# Altium PCB SG1.PcbDoc (part 1 of 3) (continued)
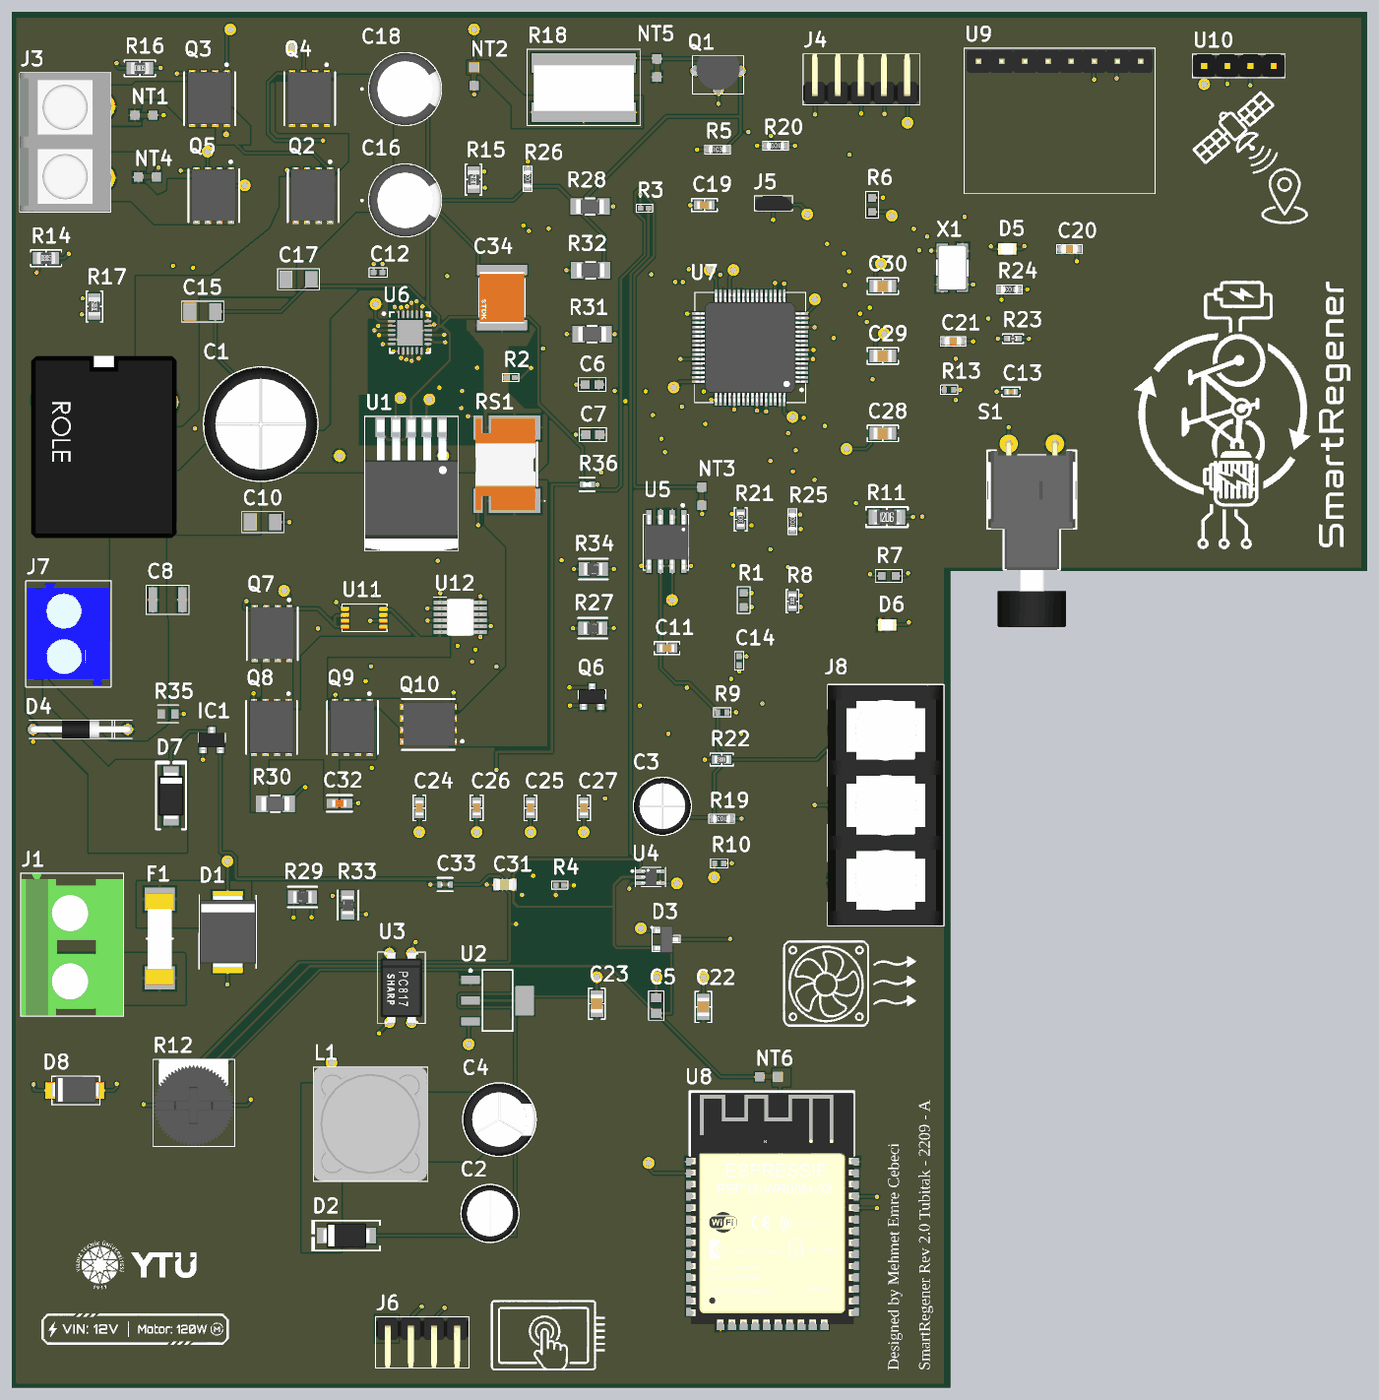
[diagram p8: 3D render of the assembled board from above, using the file's embedded part models]

## Layer stack, top to bottom
Top Solder: solder mask 1, SM-001, Dk 4
Top Layer: signal copper 1.378
Dielectric 1: prepreg 2.8, PP-006, Dk 4.1
Dielectric 2: prepreg 2.8, PP-006, Dk 4.1
GND: plane copper 1.378, net GND
Dielectric 3: core 18, Core-035, Dk 4.7
PWR: signal copper 1.378
Dielectric 4: prepreg 2.8, PP-006, Dk 4.1
Dielectric 5: prepreg 2.8, PP-006, Dk 4.1
SIGN: signal copper 1.378
Dielectric 6: core 18, Core-035, Dk 4.7
GND (Plane2): plane copper 1.378, net GND
Dielectric 7: prepreg 2.8, PP-006, Dk 4.1
Dielectric 8: prepreg 2.8, PP-006, Dk 4.1
Bottom Layer: signal copper 1.378
Bottom Solder: solder mask 1, SM-001, Dk 4

## Board outline
-4570,-4530 -4570,1425 1299,1425 1299,-995 -505,-995 -505,-4530

## Design rules (kind name [scope] priority, off if disabled: settings)
Clearance j5 [InComponent('J5')] p1: gap=2 ignorepadtopadclearanceinfootprint=FALSE
Clearance [All] p2: gap=6 ignorepadtopadclearanceinfootprint=FALSE
Height [All] p1: minheight=0 maxheight=1968.5 prefheight=500
MinimumSolderMaskSliver [All] p1: minsoldermaskwidth=0.1
NetAntennae [All] p1: netantennaetolerance=10
PlaneClearance [All] p1: clearance=20
PlaneConnect [All] p1: planeconnectstyle=Relief reliefexpansion=20 reliefentries=4 reliefconductorwidth=10 reliefairgap=10
PolygonConnect [All] p1: connectstyle=Relief reliefconductorwidth=10 reliefentries=4 polygonreliefangle="90 Angle" airgapwidth=10
RoutingVias [All] p1: holewidth=8 width=18 viastyle="Through Hole" minholewidth=6 minwidth=3 maxholewidth=28 maxwidth=50
SilkToSolderMaskClearance [IsPad] p1: minsilkscreentomaskgap=1 clearancetoexposedcopper=TRUE
SolderMaskExpansion [All] p1: expansion=0 istentingtop=FALSE
SupplyNets "Schematic Supply Nets_7" [InNet('3.3V')] p1: voltage=0.000
SupplyNets "Schematic Supply Nets_6" [InNet('VIN')] p2: voltage=0.000
SupplyNets "Schematic Supply Nets_5" [InNet('AVDD')] p3: voltage=0.000
SupplyNets "Schematic Supply Nets_4" [InNet('GND')] p4: voltage=0.000
SupplyNets "Schematic Supply Nets_3" [InNet('+5')] p5: voltage=0.000
SupplyNets "Schematic Supply Nets_2" [InNet('PGND')] p6: voltage=0.000
SupplyNets "Schematic Supply Nets_1" [InNet('AGND')] p7: voltage=0.000
SupplyNets "Schematic Supply Nets" [InNet('VM')] p8: voltage=0.000
Width [All] p1: maxlimit=10 minlimit=10 preferedwidth=10
24 further rules are at their usual default settings.

## Classes and differential pairs
component class Sensörler: C28 C29 C30 C31 D7 IC1 J4 J5 J6 J7 J8 Q6 R22 R23 R24 R25 R26 U8 U9 U10
component class "Motor Driver": C6 C7 C8 C10 C11 C12 C13 C14 C15 C16 C17 C18 D5 D6 J3 NT1 NT2 NT3 NT4 NT5 NT6 Q2 Q3 Q4 Q5 R6 R7 R8 R9 R10 R11 R12 R13 R14 R15 R16 R17 R18 U5 U6
component class MCU: C19 C20 C21 C22 C23 C24 C25 C26 C27 R19 R20 R21 S1 U7 X1
component class Koruma: C32 C33 C34 D1 D8 F1 J1 Q7 Q8 Q9 Q10 R27 R28 R29 R30 R31 R32 R33 R34 R35 R36 RS1 U11 U12
component class "Güç ve Koruma": C1 C2 C3 C4 C5 D2 D3 D4 L1 Q1 R1 R2 R3 R4 R5 RL1 U1 U2 U3 U4

## Components (designator, comment, footprint, x,y, rotation, side; value= is the part's Value field where it differs from the comment)
C1 "680µF" "CAP TH ALUM ELEC D12.50mm S5.00mm H30.00mm" -3490,-360 r270 top
C2 "47µF" "CAP TH ALUM ELEC D6.30mm S2.50mm H6.00mm" -2498,-3775 r180 top
C3 "22µF" "CAP TH ALUM ELEC D6.30mm S2.50mm H12.00mm" -1752,-2013 r270 top
C4 "220 µF" "CAP AL TH D8 L3.5 H12.5" -2457,-3369 r0 top
C5 "0.01uF" "CAP0603- GRM188R70J103KA01D" -1778,-2876 r90 top
C6 "1uF" CAP0603-GRM188R60J105KA01D -2056,-189 r180 top value=1µF
C7 "1uF" CAP0603-GRM188R60J105KA01D -2053,-406 r180 top value=1µF
C8 "10uF" "CAP1210- GRM32ER71H106KA12L" -3893,-1120 r180 top value=10µF
C10 "1uF" "CAP1206- GRM319R71C105KAA3D" -3480.97,-784 r180 top value=1µF
C11 "0.1 µF" "CAP 0603_1608" -1732,-1329 r180 top
C12 "1000pF" "CAP0402- GRM155R71C102KA01D" -2982,296 r180 top value=1nF
C13 "10000 pF" "CAP 0402_1005" -243,-220 r180 top
C14 "1000pF" "CAP0402- GRM155R71C102KA01D" -1420,-1384 r90 top value=1nF
C15 "0.1uF" "CAP1206- GRM319R71H104KA01D" -3741,127 r180 top value=100nF
C16 "470uF" "RCAP, 8x20mm -EEU-FR1V471LB" -2865.18,608 r0 top value=470µF
C17 "0.1uF" "CAP1206- GRM319R71H104KA01D" -3326,267 r180 top value=100nF
C18 "470uF" "RCAP, 8x20mm -EEU-FR1V471LB" -2865.18,1090 r0 top value=470µF
C19 "0.1 µF" "CAP 0603_1608" -1570,588 r180 top
C20 "CL10C200JB8NNNC" CAP_0603 10,397 r180 top
C21 "CL10C200JB8NNNC" CAP_0603 -494,-2 r180 top
C22 "4.7µF" "CAP 0805_2012" -1574.39,-2881.56 r90 top
C23 "1 µF" "CAP 0805_2012" -2035.39,-2867.56 r90 top
C24 "0.1 µF" "CAP 0603_1608" -2803.61,-2020.44 r270 top
C25 "0.1 µF" "CAP 0603_1608" -2322.61,-2020.44 r270 top
C26 "0.1 µF" "CAP 0603_1608" -2555.61,-2020.44 r270 top
C27 "0.1 µF" "CAP 0603_1608" -2091.61,-2020.44 r270 top
C28 "4.7µF" "CAP 0805_2012" -798,-400 r180 top
C29 "1 µF" "CAP 0805_2012" -798,-65 r180 top
C30 "0.1 µF" "CAP 0805_2012" -798,237 r180 top
C31 "CL21B104KBCNNNC" CAP_0805 -2434,-2352 r180 top
C32 "W3F15C4738AT1F" "CAP 0603" -3148,-2001 r180 top value=470nF
C33 "GRM155R71C104KA88D" "CAP 0402" -2691,-2350 r180 top value=100nF
C34 "C5750X7R1H226M250KB" "CAP 2220" -2446,186 r270 top value=22µF
D1 "SMDJ20A" "SMC (DO-214AB)" -3633,-2558 r270 top
D2 "ACDBA560-HF" "DO214AC SMA" -3119,-3871 r180 top
D3 "Diode, Rectifier" "SOT-23-3 - MMBD7000LT1G" -1774.55,-2552.49 r270 top value=1.5pF
D4 "1N4007" 1N4007 -4271,-1681 r0 top value=15pF
D5 "Led - Red" LED_0805 -259,398 r180 top
D6 "Led - Green" LED_0805 -779,-1228 r0 top
D7 "ACDBA140-HF" "DO214AC SMA" -3878,-1968 r90 top
D8 "SMAJ24A" "SMA (DO-214AC)" -4295,-3243 r0 top value=650pF
F1 "SF-3812F6000T-2" SF-3812F6000T-2 -3927,-2586 r90 top value=900µΩ
IC1 "DMG3402L-7" "DIODES SOT-23-3" -3702,-1727 r90 top
J1 "Kontak" "TB 2pin" -4316,-2622 r90 top
J3 "TB - 2PİN- MOT" "TB - 2PİN- MOT" -4179,860 r270 top
J4 "ST-LİNK" ST-LİNK -890.8,1072.58 r180 top
J5 "A-3144 Hall Sensor" A-3144 -1272,589 r180 top
J6 "Nextion" Nextion -2789,-4274 r0 top
J7 "Socket 2Pos" 691101710002 -4342,-1269 r270 top
J8 "4DB-P108-03" "TE 4DB-P108-03" -785,-2009 r270 top
L1 "33uH" Cap33Uh -3016,-3388 r0 top value=33µH
NT1 "Net-Tie" Net-Tie -3956,977 r180 top net-tie
NT2 "Net-Tie" Net-Tie -2566,1105 r90 top net-tie
NT3 "Net-Tie" Net-Tie -1581,-711 r90 top net-tie
NT4 "Net-Tie" Net-Tie -4019.74,709 r0 top net-tie
NT5 "Net-Tie" Net-Tie -1776,1221 r270 top net-tie
NT6 "Net-Tie" Net-Tie -1331,-3184 r0 top net-tie
Q1 "BC337" BC337 -1511,1127 r0 top
Q2 "BSC010N04LSI" "SON 5X6" -3260,621 r270 top
Q3 "BSC010N04LSI" "SON 5X6" -3708,1041 r270 top
Q4 "BSC010N04LSI" "SON 5X6" -3275,1041 r270 top
Q5 "BSC010N04LSI" "SON 5X6" -3690,621 r270 top
Q6 "MMBT3904-7-F" "DIODES SOT-23-3" -2056,-1539 r90 top
Q7 "BSC010N04LSI" "SON 5X6" -3437,-1274 r270 top
Q8 "BSC010N04LSI" "SON 5X6" -3440,-1680 r270 top
Q9 "BSC010N04LSI" "SON 5X6" -3090,-1680 r270 top
Q10 "BSC010N04LSI" "SON 5X6" -2772,-1662 r180 top
R1 "330 Ohm" "RES0603- RC0603FR-07330RL" -1400,-1121 r90 top value=47µF
R2 "13.3k Ohm" RES0402 -2408,-159 r0 top value=13.3kΩ
R3 "1k" RES0402 -1829,574 r0 top value=1kΩ
R4 "1k" RES0402 -2196,-2355 r0 top value=1kΩ
R5 "RC0603FR-0710KL" RES_0603 -1513.26,828.31 r0 top
R6 "330 Ohm" "RES0603- RC0603FR-07330RL" -844,589 r90 top value=47µF
R7 "330 Ohm" "RES0603- RC0603FR-07330RL" -772,-1017 r0 top value=47µF
R8 "1 kOhms" "RES 0603_1608" -1189,-1126 r90 top
R9 "Res 10k" "RES0402 - ERJ-2RKF1002X" -1493,-1607 r0 top value=10kΩ
R10 "Res 10k" "RES0402 - ERJ-2RKF1002X" -1505.93,-2260.03 r0 top value=10kΩ
R11 "33 kOhms" "RES 1206_3216" -780,-762 r0 top
R12 "200k Ohm" 3352P-1-204LF -3783,-3258 r0 top value=200kΩ
R13 "Res 10k" "RES0402 - ERJ-2RKF1002X" -511,-211 r180 top value=10kΩ
R14 "10 Ohms" "RES 0805_2012" -4419,358 r0 top
R15 "10 Ohms" "RES 0805_2012" -2569,698 r90 top
R16 "10 Ohms" "RES 0805_2012" -4013,1180 r0 top
R17 "10 Ohms" "RES 0805_2012" -4210,149 r90 top
R18 "0.005 Ohm" KRL11050-C-R005-F-T1 -2092,1096 r0 top value=5mΩ
R19 "RC0603FR-0710KL" RES_0603 -1495.44,-2067.39 r180 top
R20 "RC0603JR-07100RL" RES_0603 -1262,845 r180 top
R21 "100 Ohms" "RES 0603_1608" -1413,-772 r90 top
R22 "1 kOhms" "RES 0603_1608" -1495,-1811 r180 top
R23 "100 Ohms" "RES 0402_1005" -235,10 r180 top
R24 "RC0603JR-07100RL" RES_0603 -249,223 r180 top
R25 "RC0603FR-0710KL" RES_0603 -1189,-782 r90 top
R26 "RC0603FR-0710KL" RES_0603 -2335,701 r90 top
R27 "SR0805FR-7W10RL" SR0805FR-7W10RL -2053,-1243 r0 top value=10Ω
R28 "SR1206FR-071KL" "RES 1206" -2064,581 r0 top value=1kΩ
R29 "SR0805FR-7W10RL" SR0805FR-7W10RL -3309,-2406 r180 top value=10Ω
R30 "RC0805FR-07187KL" "RES 1206" -3426,-2003 r0 top value=187kΩ
R31 "RC0805FR-078K87L" "RES 1206" -2055,29 r0 top value=8.87kΩ
R32 "RC0805FR-0713K3L" "RES 1206" -2063,306 r180 top value=13.3kΩ
R33 "SR0805FR-7W10RL" SR0805FR-7W10RL -3113,-2441 r90 top value=10Ω
R34 "SR0805FR-7W10RL" SR0805FR-7W10RL -2051,-987 r0 top value=10Ω
R35 "RC0603FR-0771K5L" "RES 0603" -3891.94,-1614.91 r180 top value=71.5kΩ
R36 "ERJ-2RKF4991X" "RES 0402" -2078,-623 r0 top value=4.99kΩ
RL1 "HK15F-DC24V-S-K" HK15F-DC24V-S-K -4166,-461 r90 bottom
RS1 "WSLP4026L5000FEA" SR_4026 -2470,-533 r90 top value=500µΩ
S1 "AB11AH-HA" "NKK AB11AH-HA" -153,-645 r180 top
U1 "LM2596" LM2596 -2839.13,-373.7 r270 top
U2 "AMS1117-3.3V" SOT223 -2465,-2854 r0 top
U3 "PC817" PC817 -2885,-2799 r270 top
U4 "LMT86DCKT" LMT86DCKT -1804,-2320 r0 top
U5 "INA240A1DR" INA240A1DR -1739,-855 r270 top
U6 "DRV8701ERGER" DRV8701ERGER -2844,36 r0 top
U7 "STM32G474RET6" STM32G474RET6 -1372,-29 r90 top
U8 "ESP32-WROOM-32" ESP32-32 -1271,-3770 r0 top
U9 "MPU6050" MPU6050 -36,1208 r270 top value=5.6kΩ
U10 "Neo - 7M" "Neo - 7M" 743,1190 r90 top
U11 "LTC4359IMS8#PBF" MSOP-8 -3042,-1198 r0 top
U12 "LT4363" MSOP-12 -2627.39,-1195.41 r0 top
X1 "ECS-160-20-30B-TR" ECS -497,317 r90 top

## Footprints (in the part's own frame and the unit in brackets; to place one, negate y for a bottom-side part, rotate by r counter-clockwise, add the part's x,y. Pads: shape width x height; smd on the part's side, far side on the other; paste and mask are expansions set on the pad)
1N4007 [mm]
  round 1.2 hole 1 mask+0.05: 1(-5.2,0) 2(5.2,0)
  silkscreen extent -5.6,-1 5.7,1, body extent -5.55,-1 5.62,1, height 1.99
3352P-1-204LF [mm]
  rect 1.6x1.6 hole 0.8 mask+0.05: 1(-2.55,-1.27)
  round 1.6 hole 0.8 mask+0.05: 2(2.55,-1.27) 3(0.02,1.27)
  silkscreen extent -4.42,-5.78 4.57,3.8, body extent -4.38,-5.72 4.5,3.8, height 5.33
691101710002 [mm]
  round 2.5 hole 1.5 mask+0.05: 1(-2.5,0) 2(2.5,0)
  silkscreen extent -5.87,-4.19 5.81,5.19, body extent -5.64,-3.99 5.56,5.01, height 12.5
A-3144 [mm] "HALL SENSOR"
  round 1.2 hole 1 mask+0.05: 1(-1.27,0) 2(0,0) 3(1.27,0)
  silkscreen extent -2.12,-1 2.08,0.65, body extent -2.14,-0.96 2.03,0.62, height 3.1
BC337 [mm]
  round 1.2 hole 1 mask+0.05: B(0.05,-1.05) C(-2.45,1.05) E(2.45,1.05)
  silkscreen extent -2.8,-1.5 2.8,2.7, body extent -2.76,-1.42 2.78,2.68, height 7.9
Cap33Uh [mm]
  rect 2.9x5.4 smd mask+0.05: 1(-4.35,0) 2(4.35,0)
  silkscreen extent -6.25,-6.3 6.34,6.25, body extent -6.24,-6.24 6.26,6.26, height 6
"CAP0402- GRM155R71C102KA01D" [mm] "Chip Capacitor, 2-Leads, Body 1,00x0,50mm, IPC Medium Density"
  rect 0.66x0.62 smd mask+0.05: 1(-0.49,0) 2(0.49,0)
  silkscreen extent -1,-0.5 1,0.5, body extent -0.47,-0.28 0.48,0.27, height 0.55
"CAP0603- GRM188R70J103KA01D" [mm] "Chip Capacitor, 2-Leads, Body 1,60x0,80mm, IPC Medium Density"
  rect 1x1.15 smd mask+0.05: 1(-0.85,0) 2(0.85,0)
  silkscreen extent -1.6,-0.85 1.6,0.85, body extent -0.75,-0.35 0.75,0.35, height 0.9
CAP0603-GRM188R60J105KA01D [mm] "Chip Capacitor, 2-Leads, Body 1,60x0,80mm, IPC Medium Density"
  rect 1x0.95 smd mask+0.05: 1(-0.75,0) 2(0.75,0)
  silkscreen extent -1.5,-0.75 1.5,0.75, body extent -0.85,-0.45 0.85,0.45, height 0.9
"CAP1206- GRM319R71C105KAA3D" [mm] "Chip Capacitor, 2-Leads, Body 3,20x1,60mm, IPC Medium Density"
  rect 1.35x1.8 smd mask+0.05: 1(-1.375,0) 2(1.375,0)
  silkscreen extent -2.3,-1.15 2.3,1.15, body extent -1.7,-0.9 1.7,0.9, height 0.95
"CAP1206- GRM319R71H104KA01D" [mm] "Chip Capacitor, 2-Leads, Body 3,20x1,60mm, IPC Medium Density"
  rect 1.35x1.8 smd mask+0.05: 1(-1.4,0) 2(1.4,0)
  silkscreen extent -2.3,-1.15 2.3,1.15, body extent -1.68,-0.87 1.68,0.87, height 0.95
"CAP1210- GRM32ER71H106KA12L" [mm] "Chip Capacitor, 2-Leads, Body 3,20x2,50mm, IPC Medium Density"
  rect 0.95x2.7 smd mask+0.05: 1(-1.625,0) 2(1.625,0)
  silkscreen extent -2.35,-1.6 2.35,1.6, body extent -1.75,-1.35 1.75,1.35, height 2.7
"CAP 0402" [mm]
  rect 0.472x0.672 smd paste+0 mask+0: 1(-0.57,0.05) 2(0.63,0.05)
  silkscreen extent -0.81,-0.69 0.87,0.79, body extent -1.01,-0.49 1.07,0.59, height 0.25
"CAP 0402_1005" [mm] "Chip Capacitor, 2-Leads, Body 1.02x0.51mm, IPC Medium Density"
  rect 0.6x0.64 smd: 1(-0.44,0) 2(0.44,0)
  silkscreen extent -1,-0.5 1,0.5, body extent -0.5,-0.26 0.5,0.26, height 0.52
"CAP 0603" [mil]
  rect 49.52x39.85 smd paste+0 mask+0: 1(-29.2,-0.03) 2(31.99,-0.03)
  silkscreen extent -54,-36 57,36, body extent -74,-40 76,40, height 10
"CAP 0603_1608" [mm] "Chip Capacitor, 2-Leads, Body 1.60x0.80mm, IPC Medium Density"
  rect 0.9x1 smd: 1(-0.675,0) 2(0.675,0)
  silkscreen extent -1.4,-0.7 1.4,0.7, body extent -0.8,-0.41 0.8,0.41, height 0.82
"CAP 0805_2012" [mm] "Chip Capacitor, 2-Leads, Body 2.00x1.20mm, IPC Medium Density"
  rect 1.3x1.4 smd: 1(-0.8,0) 2(0.8,0)
  silkscreen extent -1.7,-0.9 1.7,0.9, body extent -1,-0.64 1,0.64, height 1.26
"CAP 2220" [mm]
  rect 1.153x5.503 smd paste+0 mask+0: 1(-3.055,0.01) 2(2.995,0.01)
  silkscreen extent -2.1,-2.49 2.04,2.51, body extent -4.13,-3.24 4.07,3.26, height 0.25
"CAP AL TH D8 L3.5 H12.5" [mm] "8MM Diameter, 3.5MM Lead Spacing Aluminium Capacitor"
  oval 1.5x2 hole 0.8: 1(-1.75,0) 2(1.75,0)
  silkscreen extent -4,-4 4,4, body extent -4,-4 4,4, height 11.5
"CAP TH ALUM ELEC D6.30mm S2.50mm H6.00mm" [mm] "6.3mm Diameter 2.5mm Lead Spacing Aluminum Electrolytic Capacitors Radial, Can"
  oval 1.3x1.95 hole 0.7: 1(1.25,0) 2(-1.25,0)
  silkscreen extent -3.15,-3.15 3.15,3.15, body extent -3.16,-3.15 3.15,3.15, height 6
"CAP TH ALUM ELEC D6.30mm S2.50mm H12.00mm" [mm] "6.3mm Diameter 2.5mm Lead Spacing Aluminum Electrolytic Capacitors Radial, Can"
  oval 1.3x1.95 hole 0.7: 1(1.25,0) 2(-1.25,0)
  silkscreen extent -3.15,-3.15 3.15,3.15, body extent -3.16,-3.15 3.15,3.15, height 12
"CAP TH ALUM ELEC D12.50mm S5.00mm H30.00mm" [mm] "12.5mm Diameter 5mm Lead Spacing Aluminum Electrolytic Capacitors Radial, Can"
  oval 1.6x2.4 hole 1: 1(2.5,0) 2(-2.5,0)
  silkscreen extent -6.25,-6.25 6.25,6.25, body extent -6.26,-6.25 6.25,6.25, height 30
CAP_0603 [mil]
  rect 38x31 smd mask+1.97: 1(-31.5,0) 2(31.5,0)
  silkscreen extent -55,-20 55,20, body extent -41,-22 41,18, height 31
CAP_0805 [mm]
  rect 0.7x1.3 smd mask+0.05: 1(-0.95,0) 2(0.95,0)
  silkscreen extent -0.25,-0.6 0.25,0.6, body extent -1.3,-0.68 1.3,0.68, height 0.9
"DIODES SOT-23-3" [mm] "SOT23, 3-Leads, Body 2.90x2.40mm, Pitch 0.95mm, IPC Medium Density"
  rect 0.9x0.8 smd: 1(-1,0.95) 2(-1,-0.95) 3(1,0)
  silkscreen extent -0.7,-1.45 0.7,1.45, body extent -1.41,-1.45 1.41,1.45, height 1.5
"DO214AC SMA" [mm] "Molded Diode, 2-Leads, Body 4.30x2.60mm, IPC Medium Density"
  rect 2.5x1.7 smd: 1(-2,0) 2(2,0)
  silkscreen extent -3.68,-1.65 3.75,1.65, body extent -2.6,-1.37 2.6,1.37, height 2.4
DRV8701ERGER [mm] "QFN, 24-Leads, Body 4,00x4,00mm, Pitch 0,50mm, Thermal Pad 2,80x2,80mm, IPC Medium Density"
  oval 0.8x0.25 smd mask+0.05: 1(-1.975,1.25) 2(-1.975,0.75) 3(-1.975,0.25) 4(-1.975,-0.25) 5(-1.975,-0.75) 6(-1.975,-1.25) 13(1.975,-1.25) 14(1.975,-0.75) 15(1.975,-0.25) 16(1.975,0.25) 17(1.975,0.75) 18(1.975,1.25)
  oval 0.25x0.8 smd mask+0.05: 7(-1.25,-1.975) 8(-0.75,-1.975) 9(-0.25,-1.975) 10(0.25,-1.975) 11(0.75,-1.975) 12(1.25,-1.975) 19(1.25,1.975) 20(0.75,1.975) 21(0.25,1.975) 22(-0.25,1.975) 23(-0.75,1.975) 24(-1.25,1.975)
  rect 2.8x2.8 smd mask+0.05: CVV(0,0)
  silkscreen extent -3,-2.22 2.22,2.22, body extent -2.07,-2.07 2.07,2.07, height 1